# KiCad board Karnix_ASB.kicad_pcb
title: ПИР СЦХ-254 "Карно" / (Karnix ASB-254); date: 2024-02-01; rev: V1.2; company: ООО "Фабмикро"; note: ФМТД.466961.029 ПП; note: Залата Р.Н.
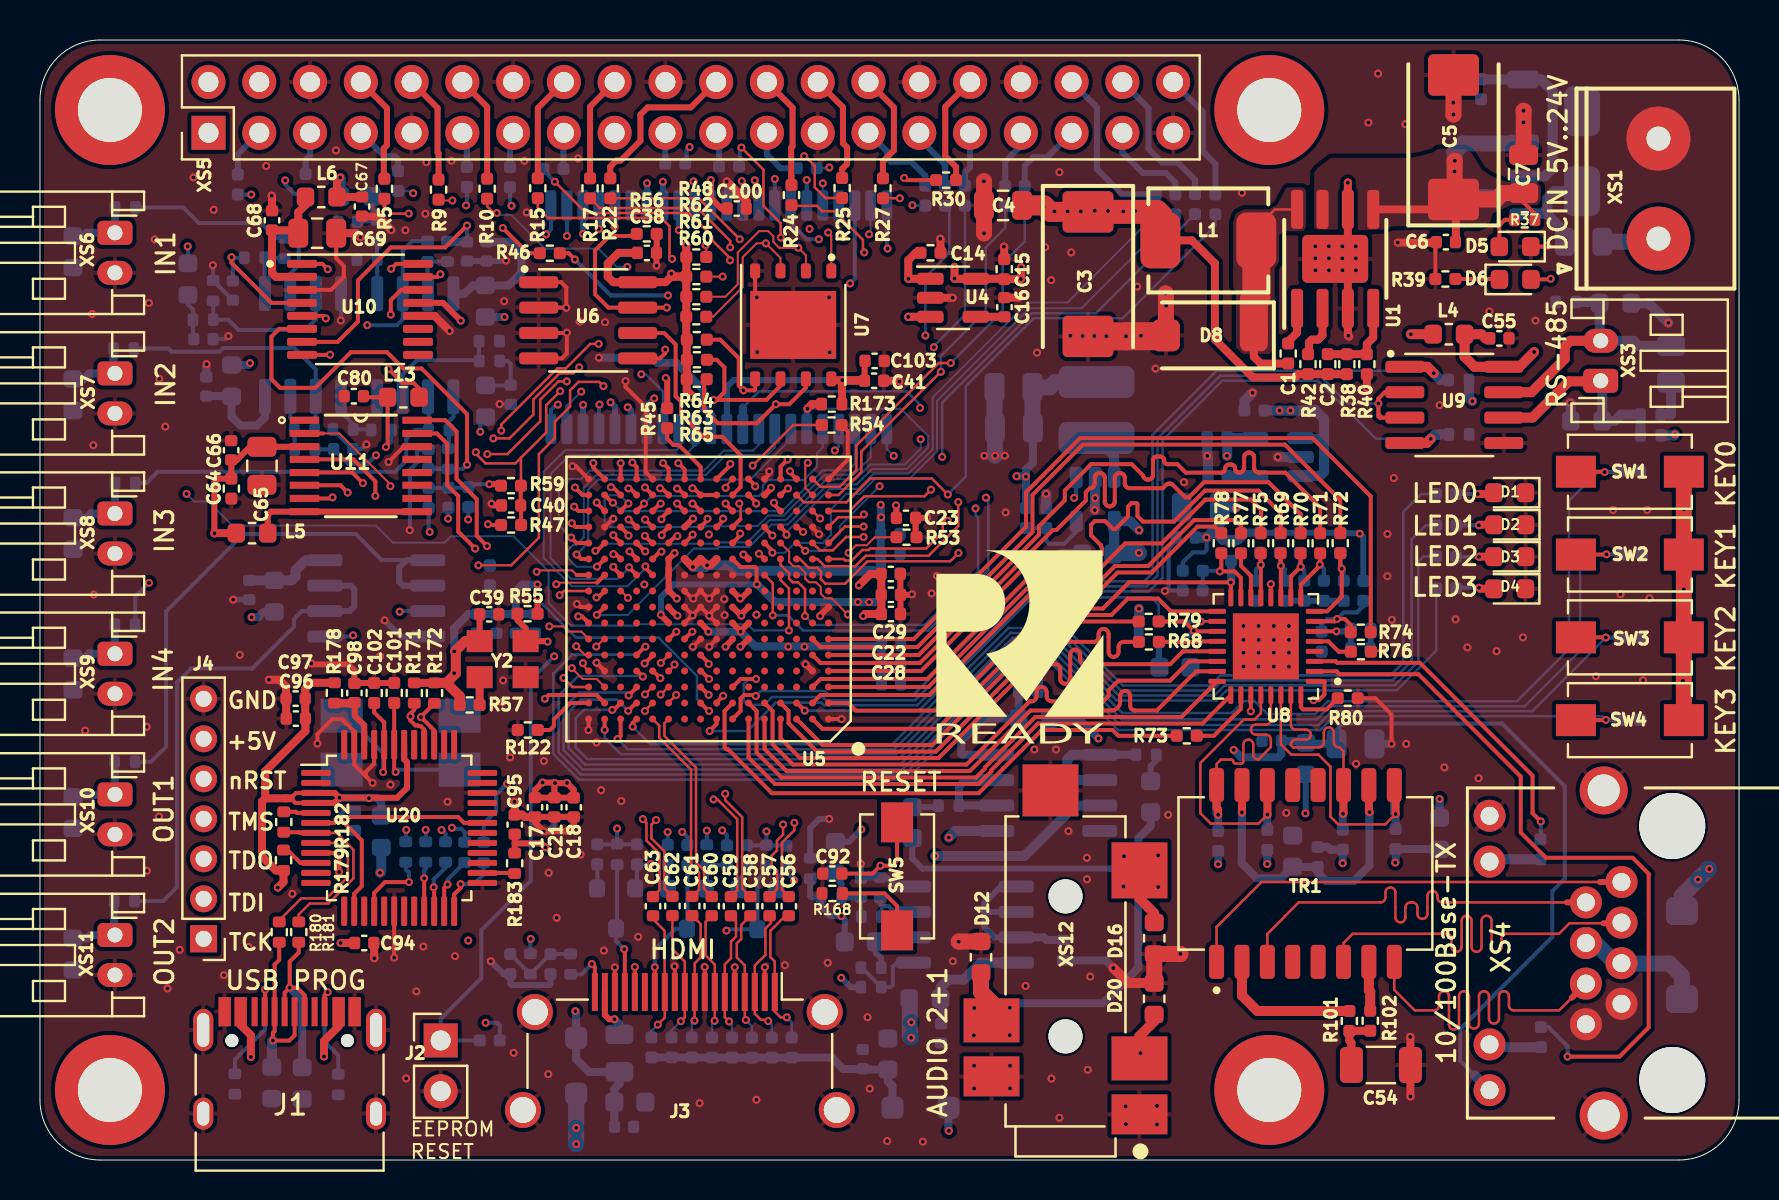
[diagram p0: board, top side]
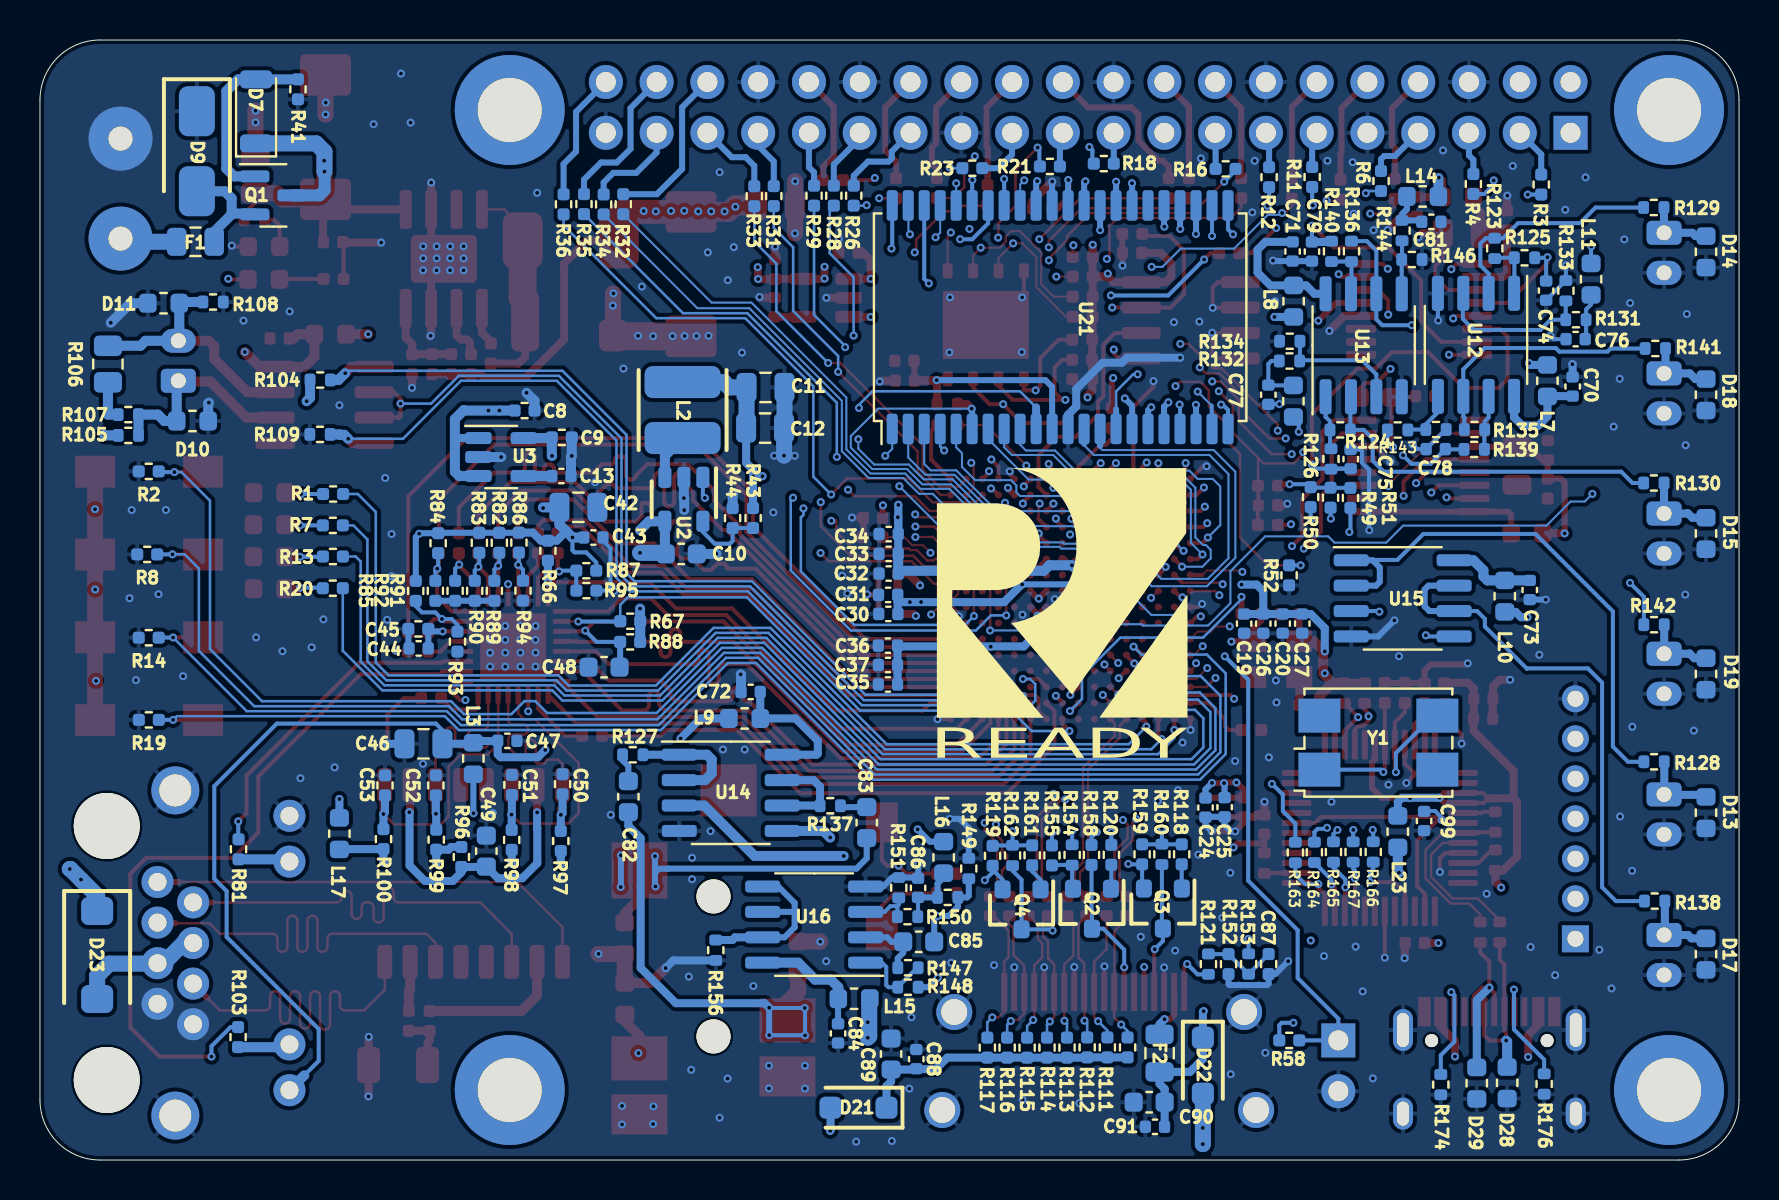
[diagram p1: board, bottom side, seen from below]

Outline 85 x 56 mm; copper layers: Top, In1.Cu, In2.Cu, In3.Cu, In4.Cu, Bottom. Coordinates in mm from the lower left corner of the outline.
Outline path: 0,53 arc(0.88,55.12) 3,56 82,56 arc(84.12,55.12) 85,53 85,3 arc(84.12,0.88) 82,0 3,0 arc(0.88,0.88) 0,3 0,53
Stack: Top 0.035mm / dielectric 0.1mm FR4 er 4.5 / In1.Cu 0.035mm / dielectric 0.535mm FR4 er 4.5 / In2.Cu 0.035mm / dielectric 0.1mm FR4 er 4.5 / In3.Cu 0.035mm / dielectric 0.535mm FR4 er 4.5 / In4.Cu 0.035mm / dielectric 0.1mm FR4 er 4.5 / Bottom 0.035mm

## Placement (name value [footprint] x y rotation side)
C1  3.3nF/50V  [C_0402_1005Metric#2]  62.45 40.33 270 top
C2  560pF/50V  [C_0402_1005Metric#2]  64.42 39.8 90 top
C3  100uF/25V  [CP_EIA-7343-43_Kemet-X]  52.43 44.29 270 top
C4  22uF/10V  [C_0805_2012Metric]  48.18 47.73 180 top
C5  100uF/25V  [CP_EIA-7343-43_Kemet-X]  70.71 51.14 90 top
C6  0.1uF/50V  [C_0402_1005Metric]  70.33 45.89 180 top
C7  DNM  [C_0805_2012Metric]  74.22 49.3 90 top
C8  1uF/16V  [C_0402_1005Metric#2]  60.76 37.47 180 bottom
C9  1uF/16V  [C_0402_1005Metric#2]  58.89 36.13 180 bottom
C10  10uF/10V  [C_0603_1608Metric]  52.92 30.3 180 bottom
C11  22uF/10V  [C_0805_2012Metric]  48.7 38.63 180 bottom
C12  22uF/10V  [C_0805_2012Metric]  48.72 36.6 180 bottom
C13  0.01uF/50V  [C_0402_1005Metric]  58.91 34.2 180 bottom
C14  1uF/16V  [C_0402_1005Metric#2]  44.55 45.36 0 top
C15  1uF/16V  [C_0402_1005Metric#2]  48.24 44.54 90 top
C16  0.01uF/50V  [C_0402_1005Metric]  48.25 42.64 90 top
C17  0.1uF/50V  [C_0402_1005Metric]  24.77 17.64 270 top
C18  0.1uF/50V  [C_0402_1005Metric]  26.7 17.64 270 top
C19  0.1uF/50V  [C_0402_1005Metric]  24.76 26.82 270 bottom
C20  0.1uF/50V  [C_0402_1005Metric]  22.83 26.82 270 bottom
C21  0.1uF/50V  [C_0402_1005Metric]  25.73 17.64 270 top
C22  0.1uF/50V  [C_0402_1005Metric]  42.57 28.26 0 top
C23  0.1uF/50V  [C_0402_1005Metric]  43.33 32.11 0 top
C24  0.1uF/50V  [C_0402_1005Metric]  26.69 17.62 270 bottom
C25  0.1uF/50V  [C_0402_1005Metric]  25.73 17.64 270 bottom
C26  0.1uF/50V  [C_0402_1005Metric]  23.8 26.82 270 bottom
C27  0.1uF/50V  [C_0402_1005Metric]  21.85 26.82 270 bottom
C28  0.1uF/50V  [C_0402_1005Metric]  42.57 27.3 0 top
C29  0.1uF/50V  [C_0402_1005Metric]  42.56 29.3 0 top
C30  0.1uF/50V  [C_0402_1005Metric]  42.56 27.31 0 bottom
C31  0.1uF/50V  [C_0402_1005Metric]  42.57 28.25 0 bottom
C32  0.1uF/50V  [C_0402_1005Metric]  42.54 29.32 0 bottom
C33  0.1uF/50V  [C_0402_1005Metric]  42.55 30.31 0 bottom
C34  0.1uF/50V  [C_0402_1005Metric]  42.54 31.3 0 bottom
C35  0.1uF/50V  [C_0402_1005Metric]  42.58 23.78 0 bottom
C36  0.1uF/50V  [C_0402_1005Metric]  42.58 25.72 0 bottom
C37  0.1uF/50V  [C_0402_1005Metric]  42.58 24.75 0 bottom
C38  0.1uF/50V  [C_0402_1005Metric]  30.36 45.36 0 top
C39  0.1uF/50V  [C_0402_1005Metric]  22.47 27.29 0 top
C40  0.1uF/50V  [C_0402_1005Metric]  23.57 32.73 180 top
C41  0.1uF/50V  [C_0402_1005Metric]  41.73 38.96 0 top
C42  22uF/10V  [C_0805_2012Metric]  58.06 32.64 180 bottom
C43  0.1uF/50V  [C_0402_1005Metric]  57.31 31.12 180 bottom
C44  0.1uF/50V  [C_0402_1005Metric]  66.05 25.58 0 bottom
C45  4.7uF/6.3V  [C_0402_1005Metric#2]  66.07 26.56 0 bottom
C46  22uF/10V  [C_0805_2012Metric]  65.81 20.81 0 bottom
C47  0.1uF/50V  [C_0402_1005Metric]  61.62 20.96 180 bottom
C48  10uF/10V  [C_0603_1608Metric]  56.78 24.64 0 bottom
C49  0.47uF/50V  [C_0603_1608Metric]  62.67 15.45 90 bottom
C50  15pF/50V  [C_0402_1005Metric#2]  58.86 18.79 90 bottom
C51  15pF/50V  [C_0402_1005Metric#2]  61.39 18.76 90 bottom
C52  15pF/50V  [C_0402_1005Metric#2]  65.2 18.73 90 bottom
C53  15pF/50V  [C_0402_1005Metric#2]  67.74 18.73 90 bottom
C54  1000pF/100V  [C_1206_3216Metric]  67.08 4.75 0 top
C55  0.1uF/50V  [C_0402_1005Metric]  73.01 41.08 0 top
C56  0.1uF/50V  [C_0402_1005Metric]  37.46 12.69 270 top
C57  0.1uF/50V  [C_0402_1005Metric]  36.5 12.69 270 top
C58  0.1uF/50V  [C_0402_1005Metric]  35.54 12.69 270 top
C59  0.1uF/50V  [C_0402_1005Metric]  34.57 12.69 270 top
C60  0.1uF/50V  [C_0402_1005Metric]  33.61 12.69 270 top
C61  0.1uF/50V  [C_0402_1005Metric]  32.63 12.7 270 top
C62  0.1uF/50V  [C_0402_1005Metric]  31.64 12.7 270 top
C63  0.1uF/50V  [C_0402_1005Metric]  30.67 12.69 270 top
C64  1uF/16V  [C_0402_1005Metric#2]  9.57 33.57 270 top
C65  22uF/10V  [C_0805_2012Metric]  11.1 34.71 270 top
C66  0.1uF/50V  [C_0402_1005Metric]  9.56 35.49 90 top
C67  0.1uF/50V  [C_0402_1005Metric]  16.11 47.67 270 top
C68  0.1uF/50V  [C_0402_1005Metric]  11.61 46.98 90 top
C69  22uF/10V  [C_0805_2012Metric]  13.87 46.34 0 top
C70  0.1uF/50V  [C_0402_1005Metric]  8.32 38.67 90 bottom
C71  0.1uF/50V  [C_0402_1005Metric]  22.33 45.43 270 bottom
C72  0.1uF/50V  [C_0402_1005Metric]  49.45 23.4 0 bottom
C73  0.1uF/50V  [C_0402_1005Metric]  10.47 28.5 270 bottom
C74  0.01uF/50V  [C_0402_1005Metric]  9.65 43.47 270 bottom
C75  0.01uF/50V  [C_0402_1005Metric]  19.43 35.05 90 bottom
C76  0.1uF/50V  [C_0402_1005Metric]  8.18 41.04 180 bottom
C77  0.1uF/50V  [C_0402_1005Metric]  23.55 38.26 90 bottom
C78  0.01uF/50V  [C_0402_1005Metric]  15.17 35.54 0 bottom
C79  0.01uF/50V  [C_0402_1005Metric]  21.36 45.42 270 bottom
C80  0.1uF/50V  [C_0402_1005Metric]  15.7 38.19 0 top
C81  0.1uF/50V  [C_0402_1005Metric]  15.39 46.91 0 bottom
C82  10uF/10V  [C_0603_1608Metric]  55.56 18.17 270 bottom
C83  10uF/10V  [C_0603_1608Metric]  43.64 16.87 270 bottom
C84  0.1uF/50V  [C_0402_1005Metric]  45.07 6.33 270 bottom
C85  10uF/10V  [C_0603_1608Metric]  41.04 10.91 0 bottom
C86  0.1uF/50V  [C_0402_1005Metric]  41.07 13.61 270 bottom
C87  1uF/16V  [C_0402_1005Metric#2]  23.53 9.8 270 bottom
C88  0.1uF/50V  [C_0402_1005Metric]  41.16 5.05 90 bottom
C89  10uF/10V  [C_0603_1608Metric]  42.42 5.3 90 bottom
C90  10uF/10V  [C_0603_1608Metric]  29.51 2.89 0 bottom
C91  0.1uF/50V  [C_0402_1005Metric]  29.22 1.66 0 bottom
C92  0.1uF/50V  [C_0402_1005Metric]  39.64 14.32 180 top
C94  0.1uF/50V  [C_0402_1005Metric]  16.22 10.85 0 top
C95  0.1uF/50V  [C_0402_1005Metric]  23.75 16.77 90 top
C96  0.1uF/50V  [C_0402_1005Metric]  12.8 22.07 180 top
C97  0.1uF/50V  [C_0402_1005Metric]  12.79 23.07 180 top
C98  0.1uF/50V  [C_0402_1005Metric]  15.73 23.35 90 top
C99  0.1uF/50V  [C_0402_1005Metric]  15.75 16.95 270 bottom
C100  0.1uF/50V  [C_0402_1005Metric]  34.86 47.58 0 top
C101  27pF/50V  [C_0402_1005Metric#2]  17.72 23.35 90 top
C102  27pF/50V  [C_0402_1005Metric#2]  16.72 23.35 90 top
C103  0.1uF/50V  [C_0402_1005Metric]  41.76 39.96 0 top
D1  FYLS-0603PGC  [LED_0603_1608Metric]  73.53 33.37 180 top
D2  FYLS-0603PGC  [LED_0603_1608Metric]  73.53 31.76 180 top
D3  FYLS-0603PGC  [LED_0603_1608Metric]  73.53 30.17 180 top
D4  FYLS-0603PGC  [LED_0603_1608Metric]  73.53 28.56 180 top
D5  FYLS-0603PGC  [LED_0603_1608Metric]  73.8 45.67 180 top
D6  FYLS-0603PGC  [LED_0603_1608Metric]  73.8 44.03 0 top
D7  BZV55-B10  [D_SOD-80]  74.19 52.43 90 bottom
D8  STPS2L40AF  [D_SMA_FLAT]  58.53 41.23 180 top
D9  SMAJ40CA  [D_SMA]  77.15 50.44 270 bottom
D10  PGB1010603NRHF  [Fuse_0603_1608Metric]  77.37 36.95 0 bottom
D11  PGB1010603NRHF  [Fuse_0603_1608Metric]  78.82 42.84 180 bottom
D12  PGB1010603NRHF  [Fuse_0603_1608Metric]  47.08 10.14 90 top
D13  PGB1010603NRHF  [Fuse_0603_1608Metric]  1.65 17.37 270 bottom
D14  PGB1010603NRHF  [Fuse_0603_1608Metric]  1.65 45.41 90 bottom
D15  PGB1010603NRHF  [Fuse_0603_1608Metric]  1.65 31.33 90 bottom
D16  PGB1010603NRHF  [Fuse_0603_1608Metric]  55.74 11.09 270 top
D17  PGB1010603NRHF  [Fuse_0603_1608Metric]  1.65 10.29 270 bottom
D18  PGB1010603NRHF  [Fuse_0603_1608Metric]  1.65 38.26 90 bottom
D19  PGB1010603NRHF  [Fuse_0603_1608Metric]  1.65 24.3 90 bottom
D20  PGB1010603NRHF  [Fuse_0603_1608Metric]  55.74 8.06 270 top
D21  CRS08  [D_SOD-123F]  44.05 2.62 0 bottom
D22  CRS08  [D_SOD-123F]  26.82 4.72 270 bottom
D23  STPS2L40AF  [D_SMA_FLAT]  82.14 10.25 270 bottom
D28  PGB1010603NRHF  [Fuse_0603_1608Metric]  11.6 3.86 90 bottom
D29  PGB1010603NRHF  [Fuse_0603_1608Metric]  13.12 3.84 90 bottom
F1  0805L100WR  [Fuse_0805_2012Metric]  77.22 45.91 0 bottom
F2  0805L100WR  [Fuse_0805_2012Metric]  28.99 5.34 90 bottom
H1  MountingHole  [MountingHole_3.2mm_M3_ISO7380_NoPad]  3.5 52.5 0 top
H2  MountingHole  [MountingHole_3.2mm_M3_ISO7380_NoPad]  61.5 52.5 0 top
H3  MountingHole  [MountingHole_3.2mm_M3_ISO7380_NoPad]  61.5 3.5 0 top
H4  MountingHole  [MountingHole_3.2mm_M3_ISO7380_NoPad]  3.5 3.5 0 top
J1  USB_C_Receptacle_USB2.0  [USB_C_Receptacle_HRO_TYPE-C-31-M-12]  12.49 3.37 0 top
J2  EEPROM RESET  [PinHeader_1x02_P2.54mm_Vertical]  20.05 5.98 0 top
J3  HDMI_A_1.4  [HDMI_A_Amphenol_10029449-x01xLF_Horizontal]  32.01 3.4 0 top
J4  Conn_01x07  [PinHeader_1x07_P2.00mm_Vertical]  8.19 11.06 180 top
L1  10uH/2.3A  [IHLP-2020]  58.45 45.98 180 top
L2  2.2uH/2.5A  [Murata_LQH44PN]  52.85 37.5 90 bottom
L3  330R/1.2A  [L_0603_1608Metric]  63.32 20.07 270 bottom
L4  330R/1.2A  [L_0603_1608Metric]  70.48 41.29 180 top
L5  330R/1.2A  [L_0603_1608Metric]  10.61 31.34 0 top
L6  330R/1.2A  [L_0603_1608Metric]  14.07 48.15 0 top
L7  330R/1.2A  [L_0603_1608Metric]  9.58 38.97 90 bottom
L8  330R/1.2A  [L_0603_1608Metric]  22.28 42.94 270 bottom
L9  330R/1.2A  [L_0603_1608Metric]  49.75 22.08 0 bottom
L10  330R/1.2A  [L_0603_1608Metric]  11.72 28.19 270 bottom
L11  330R/1.2A  [L_0603_1608Metric]  7.4 44.04 90 bottom
L12  330R/1.2A  [L_0603_1608Metric]  22.29 37.94 270 bottom
L13  330R/1.2A  [L_0603_1608Metric]  18.18 38.14 0 top
L14  330R/1.2A  [L_0603_1608Metric]  15.83 48.18 180 bottom
L15  330R/1.2A  [L_0603_1608Metric]  44.27 8.06 180 bottom
L16  330R/1.2A  [L_0603_1608Metric]  39.79 15.13 90 bottom
L17  330R/1.2A  [L_0603_1608Metric]  70.02 16.32 90 bottom
L23  330R/1.2A  [L_0603_1608Metric]  17.07 16.42 270 bottom
Q1  AO3401A  [SOT-23#2]  73.32 48.23 180 bottom
Q2  DMN3730  [SOT-23]  32.37 12.56 270 bottom
Q3  DMN3730  [SOT-23]  28.82 12.58 270 bottom
Q4  DMN3730  [SOT-23]  35.89 12.53 270 bottom
R1  220R/1%  [R_0402_1005Metric]  70.33 33.3 0 bottom
R2  10K/1%  [R_0402_1005Metric]  79.56 34.43 0 bottom
R3  51R/1%  [R_0402_1005Metric]  9.89 48.78 270 bottom
R4  51R/1%  [R_0402_1005Metric]  13.29 48.8 90 bottom
R5  51R/1%  [R_0402_1005Metric]  17.23 48.56 270 top
R6  51R/1%  [R_0402_1005Metric]  17.91 48.95 270 bottom
R7  220R/1%  [R_0402_1005Metric]  70.35 31.73 0 bottom
R8  10K/1%  [R_0402_1005Metric]  79.64 30.28 0 bottom
R9  51R/1%  [R_0402_1005Metric]  19.94 48.52 90 top
R10  51R/1%  [R_0402_1005Metric]  22.37 48.57 90 top
R11  51R/1%  [R_0402_1005Metric]  21.36 49.15 270 bottom
R12  51R/1%  [R_0402_1005Metric]  23.51 49.14 270 bottom
R13  220R/1%  [R_0402_1005Metric]  70.34 30.18 0 bottom
R14  10K/1%  [R_0402_1005Metric]  79.56 26.12 0 bottom
R15  51R/1%  [R_0402_1005Metric]  24.9 48.59 270 top
R16  51R/1%  [R_0402_1005Metric]  25.68 49.56 180 bottom
R17  51R/1%  [R_0402_1005Metric]  27.52 48.59 270 top
R18  51R/1%  [R_0402_1005Metric]  31.78 49.82 0 bottom
R19  10K/1%  [R_0402_1005Metric]  79.55 22.01 0 bottom
R20  220R/1%  [R_0402_1005Metric]  70.35 28.59 0 bottom
R21  51R/1%  [R_0402_1005Metric]  34.48 49.68 180 bottom
R22  51R/1%  [R_0402_1005Metric]  28.53 48.59 270 top
R23  51R/1%  [R_0402_1005Metric]  38.36 49.59 180 bottom
R24  51R/1%  [R_0402_1005Metric]  37.59 48.25 270 top
R25  51R/1%  [R_0402_1005Metric]  40.13 48.6 90 top
R26  51R/1%  [R_0402_1005Metric]  44.29 48.22 270 bottom
R27  51R/1%  [R_0402_1005Metric]  42.17 48.59 90 top
R28  51R/1%  [R_0402_1005Metric]  45.28 48.22 90 bottom
R29  51R/1%  [R_0402_1005Metric]  46.27 48.22 270 bottom
R30  51R/1%  [R_0402_1005Metric]  45.33 49 180 top
R31  51R/1%  [R_0402_1005Metric]  48.29 48.2 90 bottom
R32  51R/1%  [R_0402_1005Metric]  55.82 47.79 270 bottom
R33  51R/1%  [R_0402_1005Metric]  49.27 48.19 90 bottom
R34  51R/1%  [R_0402_1005Metric]  56.8 47.78 90 bottom
R35  51R/1%  [R_0402_1005Metric]  57.78 47.8 90 bottom
R36  51R/1%  [R_0402_1005Metric]  58.8 47.79 90 bottom
R37  5.1K/1%  [R_0402_1005Metric#2]  74.28 47.01 180 top
R38  33K/1%  [R_0402_1005Metric]  65.38 39.79 90 top
R39  3K/1%  [R_0402_1005Metric]  70.31 44.05 180 top
R40  10.5K/1%  [R_0402_1005Metric]  66.38 39.79 270 top
R41  10K/1%  [R_0402_1005Metric]  72.09 53.54 270 bottom
R42  47K/1%  [R_0402_1005Metric]  63.43 39.8 90 top
R43  15K/1%  [R_0402_1005Metric]  49.33 32.1 270 bottom
R44  18K/1%  [R_0402_1005Metric]  50.35 32.09 90 bottom
R45  10K/1%  [R_0402_1005Metric]  31.38 37.09 270 top
R46  10K/1%  [R_0402_1005Metric]  25.51 45.34 0 top
R47  10K/1%  [R_0402_1005Metric]  23.57 31.75 0 top
R48  10K/1%  [R_0402_1005Metric]  32.83 45.15 0 top
R49  10K/1%  [R_0402_1005Metric]  20.43 33.12 270 bottom
R50  10K/1%  [R_0402_1005Metric]  21.43 33.15 270 bottom
R51  10K/1%  [R_0402_1005Metric]  19.44 33.11 270 bottom
R52  10K/1%  [R_0402_1005Metric]  22.51 29.23 270 bottom
R53  510R/1%  [R_0402_1005Metric]  43.35 31.14 0 top
R54  510R/1%  [R_0402_1005Metric]  39.61 36.75 0 top
R55  110R/1%  [R_0402_1005Metric]  24.39 27.32 180 top
R56  10K/1%  [R_0402_1005Metric]  30.35 46.31 0 top
R57  10K/1%  [R_0402_1005Metric]  21.49 22.75 0 top
R58  10K/1%  [R_0402_1005Metric]  22.5 5.98 180 bottom
R59  10K/1%  [R_0402_1005Metric]  23.56 33.72 0 top
R60  10K/1%  [R_0402_1005Metric]  32.83 42.16 0 top
R61  10K/1%  [R_0402_1005Metric]  32.83 43.16 0 top
R62  10K/1%  [R_0402_1005Metric]  32.83 44.17 0 top
R63  1K/1%  [R_0402_1005Metric]  32.86 40.01 0 top
R64  10K/1%  [R_0402_1005Metric]  32.86 41.02 0 top
R65  10K/1%  [R_0402_1005Metric]  32.86 39.04 0 top
R66  1.5K/1%  [R_0402_1005Metric]  59.59 30.47 270 bottom
R67  10K/1%  [R_0402_1005Metric]  55.47 26.94 0 bottom
R68  110R/1%  [R_0402_1005Metric]  55.48 25.91 0 top
R69  110R/1%  [R_0402_1005Metric]  62.07 30.84 270 top
R70  110R/1%  [R_0402_1005Metric]  63.07 30.84 270 top
R71  110R/1%  [R_0402_1005Metric]  64.05 30.84 270 top
R72  110R/1%  [R_0402_1005Metric]  65.05 30.84 270 top
R73  110R/1%  [R_0402_1005Metric]  57.37 21.21 0 top
R74  110R/1%  [R_0402_1005Metric]  66.08 26.39 180 top
R75  110R/1%  [R_0402_1005Metric]  61.08 30.84 270 top
R76  110R/1%  [R_0402_1005Metric]  66.08 25.42 0 top
R77  110R/1%  [R_0402_1005Metric]  60.09 30.83 270 top
R78  110R/1%  [R_0402_1005Metric]  59.1 30.84 270 top
R79  510R/1%  [R_0402_1005Metric]  55.47 26.93 0 top
R80  12.1K/1%  [R_0402_1005Metric]  65.42 23.09 0 top
R81  330R/1%  [R_0402_1005Metric]  75.06 15.54 270 bottom
R82  10K/1%  [R_0402_1005Metric]  62.02 30.86 270 bottom
R83  10K/1%  [R_0402_1005Metric]  63.02 30.86 270 bottom
R84  DNM  [R_0402_1005Metric]  65.08 30.84 270 bottom
R85  DNM  [R_0402_1005Metric]  66.2 28.46 270 bottom
R86  10K/1%  [R_0402_1005Metric]  61.04 30.87 270 bottom
R87  10K/1%  [R_0402_1005Metric]  57.67 29.47 0 bottom
R88  10K/1%  [R_0402_1005Metric]  55.48 25.91 0 bottom
R89  DNM  [R_0402_1005Metric]  62.27 28.46 270 bottom
R90  DNM  [R_0402_1005Metric]  63.25 28.46 270 bottom
R91  10K/1%  [R_0402_1005Metric]  64.23 28.46 270 bottom
R92  10K/1%  [R_0402_1005Metric]  65.22 28.46 270 bottom
R93  10K/1%  [R_0402_1005Metric]  64.11 25.92 270 bottom
R94  DNM  [R_0402_1005Metric]  60.83 28.47 270 bottom
R95  DNM  [R_0402_1005Metric]  57.67 28.47 180 bottom
R96  49.9R/1%  [R_0402_1005Metric]  63.92 15.15 270 bottom
R97  49.9R/1%  [R_0402_1005Metric]  58.95 15.95 90 bottom
R98  49.9R/1%  [R_0402_1005Metric]  61.4 16.01 90 bottom
R99  49.9R/1%  [R_0402_1005Metric]  65.17 16.02 90 bottom
R100  49.9R/1%  [R_0402_1005Metric]  67.81 16.05 90 bottom
R101  75R/1%  [R_0402_1005Metric]  65.51 6.95 270 top
R102  75R/1%  [R_0402_1005Metric]  66.55 6.96 270 top
R103  330R/1%  [R_0402_1005Metric]  75.09 6.15 270 bottom
R104  10K/1%  [R_0402_1005Metric#2]  70.98 39 180 bottom
R105  10K/1%  [R_0402_1005Metric#2]  80.58 36.23 180 bottom
R106  120R/1%  [R_0805_2012Metric]  81.6 39.8 90 bottom
R107  DNM  [R_0402_1005Metric#2]  80.58 37.27 180 bottom
R108  10K/1%  [R_0402_1005Metric#2]  76.34 42.9 180 bottom
R109  10K/1%  [R_0402_1005Metric#2]  70.99 36.28 0 bottom
R110  49.9R/1%  [R_0402_1005Metric]  30.59 5.63 90 bottom
R111  49.9R/1%  [R_0402_1005Metric]  31.6 5.63 90 bottom
R112  49.9R/1%  [R_0402_1005Metric]  32.61 5.63 90 bottom
R113  49.9R/1%  [R_0402_1005Metric]  33.62 5.62 90 bottom
R114  49.9R/1%  [R_0402_1005Metric]  34.62 5.62 90 bottom
R115  49.9R/1%  [R_0402_1005Metric]  35.61 5.62 90 bottom
R116  49.9R/1%  [R_0402_1005Metric]  36.61 5.62 90 bottom
R117  49.9R/1%  [R_0402_1005Metric]  37.61 5.62 90 bottom
R118  1.5K/1%  [R_0402_1005Metric]  27.88 15.28 270 bottom
R119  1.5K/1%  [R_0402_1005Metric]  37.34 15.21 270 bottom
R120  1.5K/1%  [R_0402_1005Metric]  31.4 15.26 270 bottom
R121  5.1K/1%  [R_0402_1005Metric#2]  26.55 9.79 270 bottom
R122  10K/1%  [R_0402_1005Metric]  24.4 21.5 180 top
R123  11K/1%  [R_0402_1005Metric#2]  12.22 45.58 90 bottom
R124  11K/1%  [R_0402_1005Metric#2]  19.95 36.51 180 bottom
R125  51R/1%  [R_0402_1005Metric#2]  10.73 45.11 0 bottom
R126  51R/1%  [R_0402_1005Metric#2]  20.41 35.05 90 bottom
R127  22R/1%  [R_0402_1005Metric#2]  55.34 20.26 180 bottom
R128  22R/1%  [R_0402_1005Metric#2]  4.25 19.91 0 bottom
R129  22K/1%  [R_0402_1005Metric#2]  4.26 47.63 0 bottom
R130  22K/1%  [R_0402_1005Metric#2]  4.26 33.85 0 bottom
R131  11K/1%  [R_0402_1005Metric#2]  8.16 42.01 0 bottom
R132  11K/1%  [R_0402_1005Metric#2]  22.49 39.95 180 bottom
R133  22K/1%  [R_0402_1005Metric#2]  8.66 43.46 270 bottom
R134  22K/1%  [R_0402_1005Metric#2]  22.48 40.94 180 bottom
R135  11K/1%  [R_0402_1005Metric#2]  13.23 36.52 0 bottom
R136  11K/1%  [R_0402_1005Metric#2]  19.39 45.44 90 bottom
R137  22R/1%  [R_0402_1005Metric#2]  45.46 17.71 0 bottom
R138  22R/1%  [R_0402_1005Metric#2]  4.22 12.95 0 bottom
R139  51R/1%  [R_0402_1005Metric#2]  13.25 35.53 180 bottom
R140  51R/1%  [R_0402_1005Metric#2]  20.39 45.43 270 bottom
R141  22K/1%  [R_0402_1005Metric#2]  4.19 40.58 0 bottom
R142  22K/1%  [R_0402_1005Metric#2]  4.25 26.76 0 bottom
R143  11K/1%  [R_0402_1005Metric#2]  17.08 36.5 180 bottom
R144  11K/1%  [R_0402_1005Metric#2]  16.86 46.47 270 bottom
R145  22K/1%  [R_0402_1005Metric#2]  15.16 36.52 0 bottom
R146  22K/1%  [R_0402_1005Metric#2]  16.37 45.02 0 bottom
R147  1M/1%  [R_0402_1005Metric#2]  41.58 9.62 0 bottom
R148  51R/1%  [R_0402_1005Metric#2]  41.58 8.64 0 bottom
R149  11K/1%  [R_0402_1005Metric#2]  38.53 14.57 270 bottom
R150  11K/1%  [R_0402_1005Metric#2]  41.6 12.17 0 bottom
R151  11K/1%  [R_0402_1005Metric#2]  42.04 13.61 270 bottom
R152  10K/1%  [R_0402_1005Metric]  25.54 9.79 90 bottom
R153  22R/1%  [R_0402_1005Metric#2]  24.53 9.8 270 bottom
R154  5.1K/1%  [R_0402_1005Metric#2]  33.36 15.25 270 bottom
R155  110R/1%  [R_0402_1005Metric]  34.37 15.23 90 bottom
R156  22K/1%  [R_0402_1005Metric#2]  51.19 10.49 90 bottom
R157  11K/1%  [R_0402_1005Metric#2]  39.59 13.13 0 bottom
R158  27K/1%  [R_0402_1005Metric]  32.39 15.25 270 bottom
R159  1.5K/1%  [R_0402_1005Metric]  29.86 15.28 270 bottom
R160  5.1K/1%  [R_0402_1005Metric#2]  28.87 15.28 270 bottom
R161  1.5K/1%  [R_0402_1005Metric]  35.36 15.23 270 bottom
R162  5.1K/1%  [R_0402_1005Metric#2]  36.34 15.23 270 bottom
R163  0R  [R_0402_1005Metric#2]  22.2 15.38 90 bottom
R164  0R  [R_0402_1005Metric#2]  21.24 15.39 90 bottom
R165  0R  [R_0402_1005Metric#2]  20.29 15.4 90 bottom
R166  22R/1%  [R_0402_1005Metric#2]  18.3 15.41 90 bottom
R167  0R  [R_0402_1005Metric#2]  19.3 15.4 90 bottom
R168  22R/1%  [R_0402_1005Metric#2]  39.64 13.33 180 top
R171  10K/1%  [R_0402_1005Metric#2]  18.72 23.35 90 top
R172  10K/1%  [R_0402_1005Metric#2]  19.73 23.35 90 top
R173  10K/1%  [R_0402_1005Metric#2]  39.61 37.8 0 top
R174  5.1K/1%  [R_0402_1005Metric#2]  14.92 3.77 270 bottom
R176  5.1K/1%  [R_0402_1005Metric#2]  9.75 3.8 270 bottom
R178  510R/1%  [R_0402_1005Metric#2]  14.73 23.35 270 top
R179  10K/1%  [R_0402_1005Metric#2]  12.19 14.99 270 top
R180  22R/1%  [R_0402_1005Metric#2]  11.97 11.4 90 top
R181  22R/1%  [R_0402_1005Metric#2]  12.94 11.4 90 top
R182  1.5K/1%  [R_0402_1005Metric#2]  12.19 16.9 90 top
R183  10K/1%  [R_0402_1005Metric#2]  23.75 14.84 90 top
SW1  SW_Push  [SW_SPST_EVQPE1]  79.54 34.41 180 top
SW2  SW_Push  [SW_SPST_EVQPE1]  79.54 30.27 180 top
SW3  SW_Push  [SW_SPST_EVQPE1]  79.54 26.13 180 top
SW4  SW_Push  [SW_SPST_EVQPE1]  79.54 21.99 180 top
SW5  SW_Push  [SW_SPST_EVQPE1]  42.88 14.18 270 top
TR1  -  [SM13126PEL]  63.31 14.33 0 top
U1  ST1S14  [HSOIC-8_3.9x4.9mm_P1.27mm]  64.8 45.06 90 top
U2  TLV62565DBVT  [SOT-23-5#2]  52.79 33.03 270 bottom
U3  RS3236-2.5YF5  [SOT-23-5]  61.93 35.15 180 bottom
U4  RS3236-3.3YF5  [SOT-23-5]  45.68 43.11 0 top
U5  LFE5U-25F-BG256C  [BGA256C80P16X16_1400X1400X170]  33.45 28.05 180 top
U6  AT24C01C-SSHM  [SOIC-8_3.9x4.9mm_P1.27mm]  27.43 41.99 0 top
U7  W25Q128JVPIQ  [WSON-8-1EP_6x5mm_P1.27mm_EP3.4x4.3mm]  37.68 41.75 270 top
U8  LAN8710AI  [QFN-32-1EP_5x5mm_P0.5mm_EP3.3x3.3mm]  61.33 25.68 180 top
U9  MAX487ECSA+  [SOIC-8_3.9x4.9mm_P1.27mm]  70.76 37.76 0 top
U10  ADC128S052CIMT  [TSSOP-16_4.4x5mm_P0.65mm]  16.01 42.53 0 top
U11  AD5328BRUZ  [SOP65P640X120-16N]  16.05 34.7 0 top
U12  LM258A  [SO-8_3.9x4.9mm_P1.27mm]  13.16 40.76 270 bottom
U13  LM258A  [SO-8_3.9x4.9mm_P1.27mm]  18.78 40.74 90 bottom
U14  LM258A  [SO-8_3.9x4.9mm_P1.27mm]  50.44 18.36 180 bottom
U15  LM258A  [SO-8_3.9x4.9mm_P1.27mm]  16.83 28.08 180 bottom